# Altium PCB ST1-1-BASIS.PcbDoc (part 1 of 7) (continued)
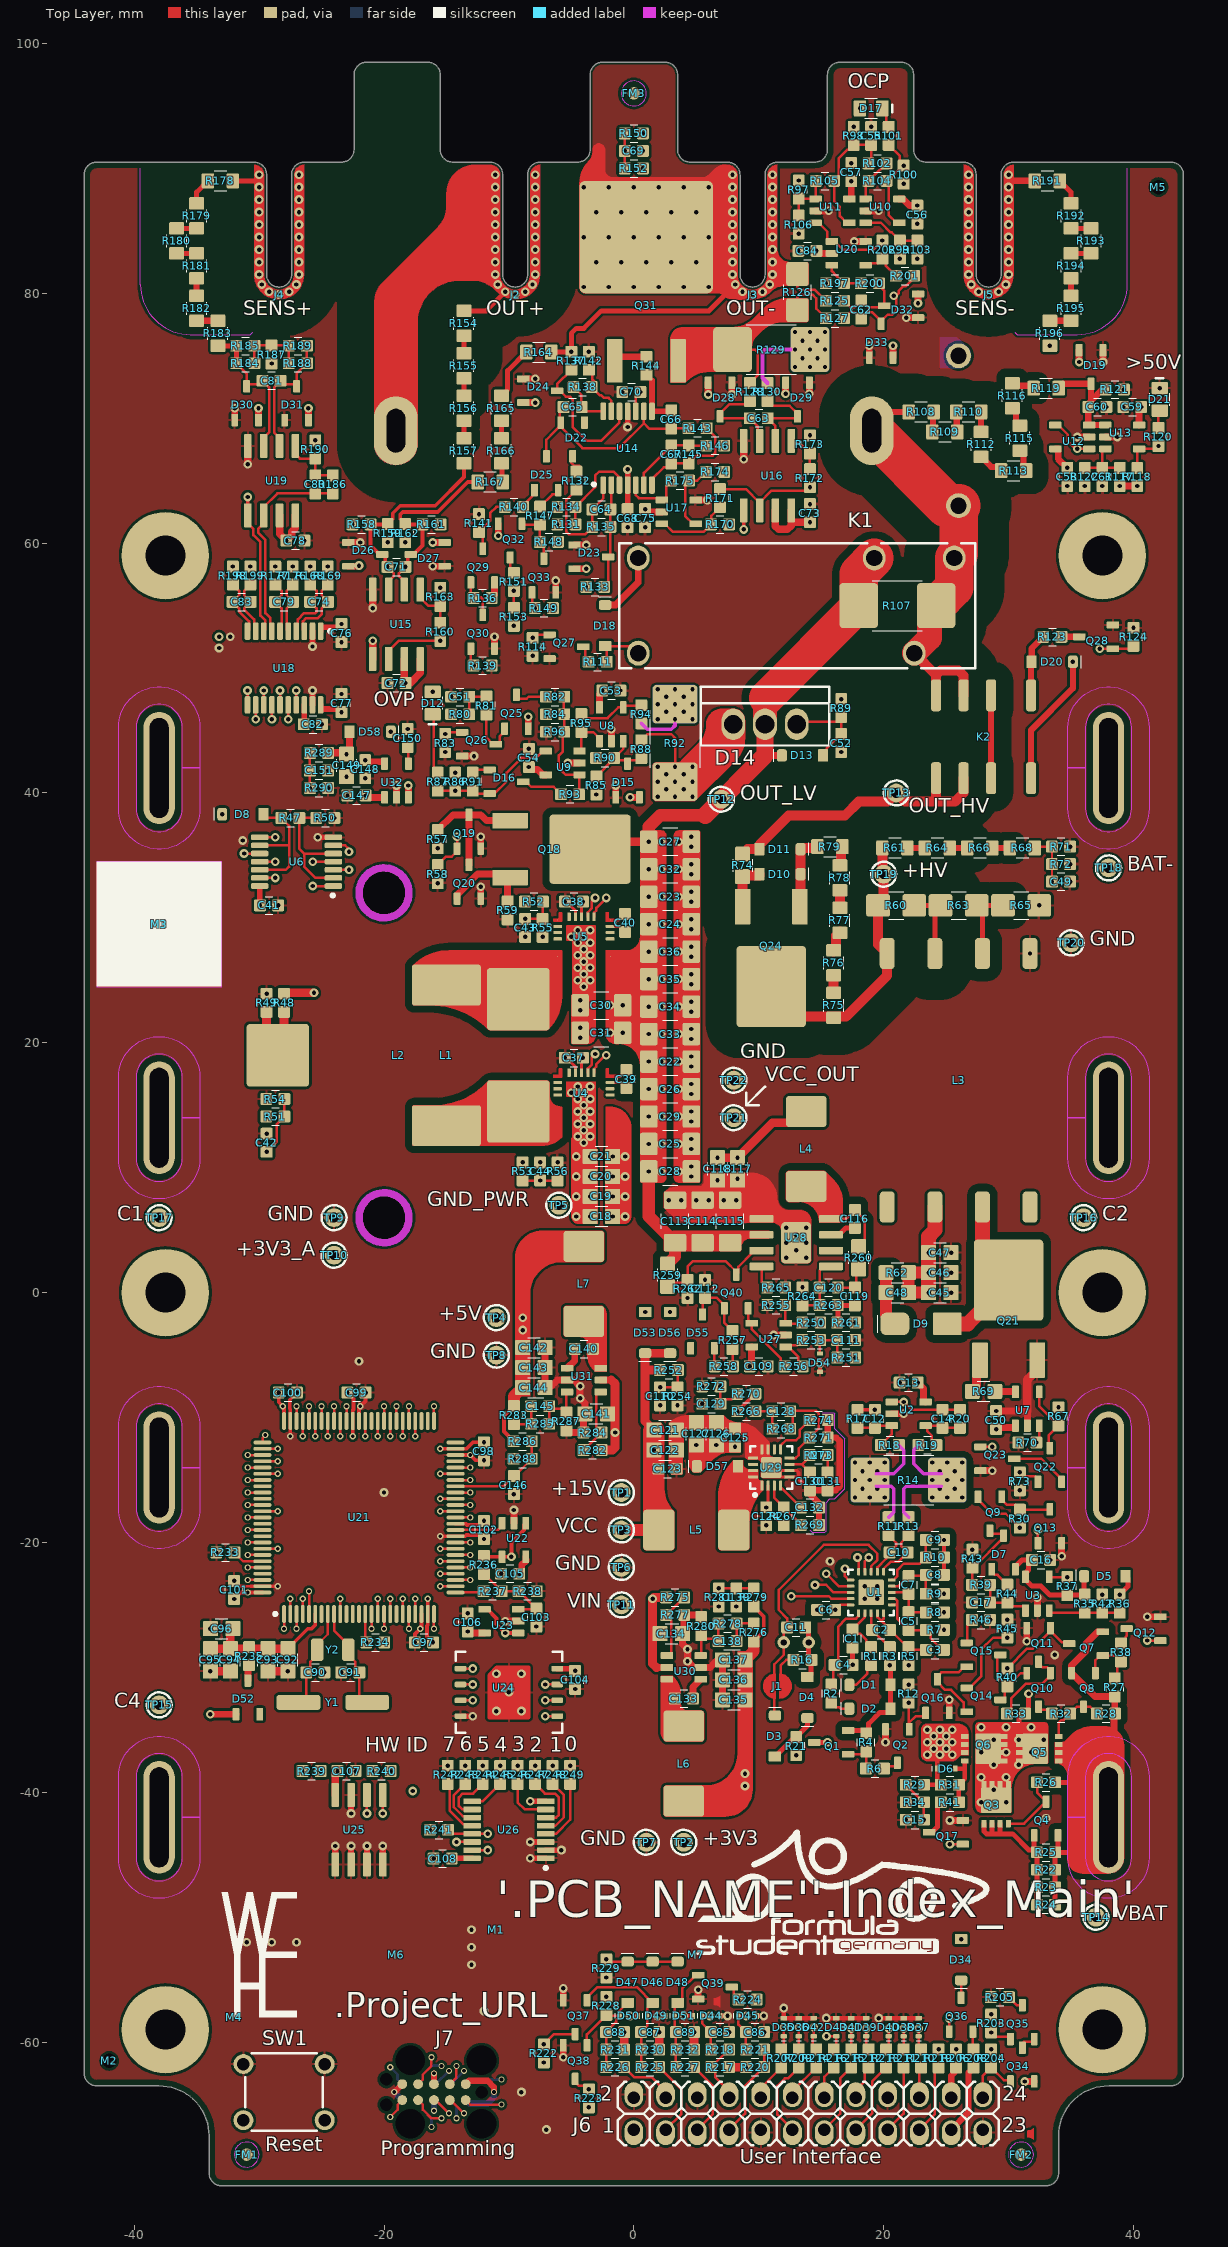
[diagram p0: Top Layer view]
## Design rules (kind name [scope] priority, off if disabled: settings) (continued)
Clearance Clearance_HV_DIV-8-4-3 [InNetClass('HV_DIV_8_4') vs InNetClass('HV_DIV_8_1') or InNetClass('HV_DIV_8_7')] p41: gap=1.3 ignorepadtopadclearanceinfootprint=TRUE except(0: Arc-Hole Track-Hole SMDPad-Hole THPad-Hole Via-Hole Fill-Hole Poly-Hole Region-Hole Text-Hole)
Clearance Clearance_HV_DIV-8-5-3 [InNetClass('HV_DIV_8_5') vs InNetClass('HV_DIV_8_2')  or not (InNetClass('Terminal') or InNetClass('HV') or InNetClass('HV_DIV_3_1') or InNetClass('HV_DIV_3_2') or InNetClass('HV_DIV_4_1') or InNetClass('HV_DIV_4_2') or InNetClass('HV_DIV_4_3') or InNetClass('HV_DIV_6_1') or InNetClass('HV_DIV_6_2') or InNetClass('HV_DIV_6_3') or InNetClass('HV_DIV_6_4') or InNetClass('HV_DIV_6_5') or InNetClass('HV_DIV_8_1') or InNetClass('HV_DIV_8_2') or InNetClass('HV_DIV_8_3') or InNetClass('HV_DIV_8_4') or InNetClass('HV_DIV_8_5') or InNetClass('HV_DIV_8_6') or InNetClass('HV_DIV_8_7'))] p42: gap=1.3 ignorepadtopadclearanceinfootprint=TRUE except(0: Arc-Hole Track-Hole SMDPad-Hole THPad-Hole Via-Hole Fill-Hole Poly-Hole Region-Hole Text-Hole)
Clearance Clearance_HV_DIV-8-1-2 [InNetClass('HV_DIV_8_1') vs InNetClass('HV_DIV_8_3')] p43: gap=1 ignorepadtopadclearanceinfootprint=TRUE except(0: Arc-Hole Track-Hole SMDPad-Hole THPad-Hole Via-Hole Fill-Hole Poly-Hole Region-Hole Text-Hole)
Clearance Clearance_HV_DIV-8-2-2 [InNetClass('HV_DIV_8_2') vs InNetClass('Terminal') or InNetClass('HV') or InNetClass('HV_DIV_8_4')] p44: gap=1 ignorepadtopadclearanceinfootprint=TRUE except(0: Arc-Hole Track-Hole SMDPad-Hole THPad-Hole Via-Hole Fill-Hole Poly-Hole Region-Hole Text-Hole)
Clearance Clearance_HV_DIV-8-3-2 [InNetClass('HV_DIV_8_3') vs InNetClass('HV_DIV_8_1') or InNetClass('HV_DIV_8_5')] p45: gap=1 ignorepadtopadclearanceinfootprint=TRUE except(0: Arc-Hole Track-Hole SMDPad-Hole THPad-Hole Via-Hole Fill-Hole Poly-Hole Region-Hole Text-Hole)
Clearance Clearance_HV_DIV-8-4-2 [InNetClass('HV_DIV_8_4') vs InNetClass('HV_DIV_8_2') or InNetClass('HV_DIV_8_6')] p46: gap=1 ignorepadtopadclearanceinfootprint=TRUE except(0: Arc-Hole Track-Hole SMDPad-Hole THPad-Hole Via-Hole Fill-Hole Poly-Hole Region-Hole Text-Hole)
Clearance Clearance_HV_DIV-8-5-2 [InNetClass('HV_DIV_8_5') vs InNetClass('HV_DIV_8_3') or InNetClass('HV_DIV_8_7')] p47: gap=1 ignorepadtopadclearanceinfootprint=TRUE except(0: Arc-Hole Track-Hole SMDPad-Hole THPad-Hole Via-Hole Fill-Hole Poly-Hole Region-Hole Text-Hole)
Clearance Clearance_HV_DIV-8-6-2 [InNetClass('HV_DIV_8_6') vs InNetClass('HV_DIV_8_4')  or not (InNetClass('Terminal') or InNetClass('HV') or InNetClass('HV_DIV_3_1') or InNetClass('HV_DIV_3_2') or InNetClass('HV_DIV_4_1') or InNetClass('HV_DIV_4_2') or InNetClass('HV_DIV_4_3') or InNetClass('HV_DIV_6_1') or InNetClass('HV_DIV_6_2') or InNetClass('HV_DIV_6_3') or InNetClass('HV_DIV_6_4') or InNetClass('HV_DIV_6_5') or InNetClass('HV_DIV_8_1') or InNetClass('HV_DIV_8_2') or InNetClass('HV_DIV_8_3') or InNetClass('HV_DIV_8_4') or InNetClass('HV_DIV_8_5') or InNetClass('HV_DIV_8_6') or InNetClass('HV_DIV_8_7'))] p48: gap=1 ignorepadtopadclearanceinfootprint=TRUE except(0: Arc-Hole Track-Hole SMDPad-Hole THPad-Hole Via-Hole Fill-Hole Poly-Hole Region-Hole Text-Hole)
Clearance Clearance_HV_DIV-8-1 [InNetClass('HV_DIV_8_1') vs InNetClass('Terminal') or InNetClass('HV') or InNetClass('HV_DIV_8_1')] p49: gap=0.7 ignorepadtopadclearanceinfootprint=TRUE except(0: Arc-Hole Track-Hole SMDPad-Hole THPad-Hole Via-Hole Fill-Hole Poly-Hole Region-Hole Text-Hole)
Clearance Clearance_HV_DIV-8-2 [InNetClass('HV_DIV_8_2') vs InNetClass('HV_DIV_8_1') or InNetClass('HV_DIV_8_3')] p50: gap=0.7 ignorepadtopadclearanceinfootprint=TRUE except(0: Arc-Hole Track-Hole SMDPad-Hole THPad-Hole Via-Hole Fill-Hole Poly-Hole Region-Hole Text-Hole)
Clearance Clearance_HV_DIV-8-3 [InNetClass('HV_DIV_8_3') vs InNetClass('HV_DIV_8_2') or InNetClass('HV_DIV_8_4')] p51: gap=0.7 ignorepadtopadclearanceinfootprint=TRUE except(0: Arc-Hole Track-Hole SMDPad-Hole THPad-Hole Via-Hole Fill-Hole Poly-Hole Region-Hole Text-Hole)
Clearance Clearance_HV_DIV-8-4 [InNetClass('HV_DIV_8_4') vs InNetClass('HV_DIV_8_3') or InNetClass('HV_DIV_8_5')] p52: gap=0.7 ignorepadtopadclearanceinfootprint=TRUE except(0: Arc-Hole Track-Hole SMDPad-Hole THPad-Hole Via-Hole Fill-Hole Poly-Hole Region-Hole Text-Hole)
Clearance Clearance_HV_DIV-8-5 [InNetClass('HV_DIV_8_5') vs InNetClass('HV_DIV_8_4') or InNetClass('HV_DIV_8_6')] p53: gap=0.7 ignorepadtopadclearanceinfootprint=TRUE except(0: Arc-Hole Track-Hole SMDPad-Hole THPad-Hole Via-Hole Fill-Hole Poly-Hole Region-Hole Text-Hole)
Clearance Clearance_HV_DIV-8-6 [InNetClass('HV_DIV_8_6') vs InNetClass('HV_DIV_8_5') or InNetClass('HV_DIV_8_7')] p54: gap=0.7 ignorepadtopadclearanceinfootprint=TRUE except(0: Arc-Hole Track-Hole SMDPad-Hole THPad-Hole Via-Hole Fill-Hole Poly-Hole Region-Hole Text-Hole)
Clearance Clearance_HV_DIV-8-7 [InNetClass('HV_DIV_8_7') vs InNetClass('HV_DIV_8_6')  or not (InNetClass('Terminal') or InNetClass('HV') or InNetClass('HV_DIV_3_1') or InNetClass('HV_DIV_3_2') or InNetClass('HV_DIV_4_1') or InNetClass('HV_DIV_4_2') or InNetClass('HV_DIV_4_3') or InNetClass('HV_DIV_6_1') or InNetClass('HV_DIV_6_2') or InNetClass('HV_DIV_6_3') or InNetClass('HV_DIV_6_4') or InNetClass('HV_DIV_6_5') or InNetClass('HV_DIV_8_1') or InNetClass('HV_DIV_8_2') or InNetClass('HV_DIV_8_3') or InNetClass('HV_DIV_8_4') or InNetClass('HV_DIV_8_5') or InNetClass('HV_DIV_8_6') or InNetClass('HV_DIV_8_7'))] p55: gap=0.7 ignorepadtopadclearanceinfootprint=TRUE except(0: Arc-Hole Track-Hole SMDPad-Hole THPad-Hole Via-Hole Fill-Hole Poly-Hole Region-Hole Text-Hole)
Clearance Clearance_Terminal [InNetClass('Terminal')] p56: gap=3 ignorepadtopadclearanceinfootprint=TRUE except(0: Arc-Hole Track-Hole SMDPad-Hole THPad-Hole Via-Hole Fill-Hole Poly-Hole Region-Hole Text-Hole)
Clearance Clearance_HV_Coating [InNetClass('HV') or InNetClass('HV_DIV_3_1') or InNetClass('HV_DIV_3_2') or InNetClass('HV_DIV_4_1') or InNetClass('HV_DIV_4_2') or InNetClass('HV_DIV_4_3') and WithinRoom('Coating') vs WithinRoom('Coating')] p57: gap=2 ignorepadtopadclearanceinfootprint=TRUE except(0: Arc-Hole Track-Hole SMDPad-Hole THPad-Hole Via-Hole Fill-Hole Poly-Hole Region-Hole Text-Hole; 0.9: SMDPad-SMDPad; 1.9: Arc-SMDPad Track-SMDPad)
Clearance Clearance_HV [InNetClass('HV')         or InNetClass('HV_DIV_3_1') or InNetClass('HV_DIV_3_2') or InNetClass('HV_DIV_4_1') or InNetClass('HV_DIV_4_2') or InNetClass('HV_DIV_4_3') or InNetClass('HV_DIV_6_1') or InNetClass('HV_DIV_6_2') or InNetClass('HV_DIV_6_3') or InNetClass('HV_DIV_6_4') or InNetClass('HV_DIV_6_5') or InNetClass('HV_DIV_8_1') or InNetClass('HV_DIV_8_2') or InNetClass('HV_DIV_8_3') or InNetClass('HV_DIV_8_4') or InNetClass('HV_DIV_8_5') or InNetClass('HV_DIV_8_6') or InNetClass('HV_DIV_8_7')] p58: gap=2.5 ignorepadtopadclearanceinfootprint=TRUE except(0: Arc-Hole Track-Hole SMDPad-Hole THPad-Hole Via-Hole Fill-Hole Poly-Hole Region-Hole Text-Hole)
Clearance Clearance_LV [InNetClass('LV')] p59: gap=0.6 ignorepadtopadclearanceinfootprint=FALSE except(0: Arc-Hole Track-Hole SMDPad-Hole THPad-Hole Via-Hole Fill-Hole Poly-Hole Region-Hole Text-Hole)
Clearance Clearance_LV_SW [InNetClass('LV_SW') vs not (InNetClass('LV_SW') or ((Net = 'No Net') And ((Component = 'U4') or (Component = 'U5'))))] p60: gap=0.6 ignorepadtopadclearanceinfootprint=FALSE except(0: Arc-Hole Track-Hole SMDPad-Hole THPad-Hole Via-Hole Fill-Hole Poly-Hole Region-Hole Text-Hole)
Clearance Clearance_BAT_Exception [InNetClass('BAT') vs InNet('NetQ5_4') or InNet('I2C.SCL')] p61: gap=0.5 ignorepadtopadclearanceinfootprint=TRUE except(0: Arc-Hole Track-Hole SMDPad-Hole THPad-Hole Via-Hole Fill-Hole Poly-Hole Region-Hole Text-Hole; 0.2: Track-Region SMDPad-Region; 0.25: Track-SMDPad SMDPad-SMDPad; 0.3: Track-Track)
Clearance Clearance_BAT [InNetClass('BAT')] p62: gap=0.5 ignorepadtopadclearanceinfootprint=TRUE except(0: Arc-Hole Track-Hole SMDPad-Hole THPad-Hole Via-Hole Fill-Hole Poly-Hole Region-Hole Text-Hole)
Clearance [All] p63: gap=0.2 ignorepadtopadclearanceinfootprint=FALSE except(0: Arc-Hole Track-Hole SMDPad-Hole THPad-Hole Via-Hole Fill-Hole Poly-Hole Region-Hole Text-Hole; 0.15: Arc-Arc Arc-Track Arc-SMDPad Arc-THPad Arc-Via Arc-Text Track-Track Track-SMDPad Track-THPad Track-Via Track-Text SMDPad-SMDPad SMDPad-THPad SMDPad-Via SMDPad-Text THPad-THPad THPad-Via THPad-Text Via-Via Via-Text Text-Text)
ComponentClearance ComponentClearance_ELP_Transformer [Footprint like '*ELP22*' vs Footprint like '*ELP22*'] p1: gap=0 collisioncheckmode=3 verticalgap=0 showdistances=FALSE
ComponentClearance ComponentClearance_Enclosure [InComponent('M1')] p2: gap=0 collisioncheckmode=3 verticalgap=0 showdistances=FALSE
ComponentClearance ComponentClearance_Battery_Holder [IsFree] p3: gap=0 collisioncheckmode=3 verticalgap=0 showdistances=FALSE
ComponentClearance [All] p4: gap=0.25 collisioncheckmode=3 verticalgap=0.25 showdistances=FALSE
DiffPairsRouting [All] p1: maxlimit=0.5 minlimit=0.2 mostfreqgap=0.2 toplayer_minwidth=0.2 toplayer_maxwidth=0.5 toplayer_prefwidth=0.2 midlayer1_minwidth=0.2 midlayer1_maxwidth=0.5 midlayer1_prefwidth=0.2 midlayer2_minwidth=0.2 midlayer2_maxwidth=0.5 midlayer2_prefwidth=0.2 midlayer3_minwidth=0.2 midlayer3_maxwidth=0.5 midlayer3_prefwidth=0.2 midlayer4_minwidth=0.2 midlayer4_maxwidth=0.5 midlayer4_prefwidth=0.2 bottomlayer_minwidth=0.2 bottomlayer_maxwidth=0.5 bottomlayer_prefwidth=0.2 maxuncoupledlength=12.7
Height [All] p1: minheight=0 maxheight=100 prefheight=12.7
HoleSize [All] p1: absolutevalues=TRUE maxlimit=27 minlimit=0.3 maxpercent=80.000 minpercent=20.000
HoleToHoleClearance [All] p1: gap=0.3 allowstackedmicrovias=TRUE
MatchedLengths "MatchedLengths QSPI" [InNetClass('QSPI')] p1: tolerance=0.2 checknetsindiffpair=FALSE checkdiffpairvsdiffpair=TRUE checkxsignals=TRUE checkothers=TRUE
MinimumAnnularRing MinimumAnnularRing_Via [IsVia] p1: minimumring=0.1
MinimumAnnularRing MinimumAnnularRing_Pad [All] p2: minimumring=0.2
MinimumSolderMaskSliver [All] p1: minsoldermaskwidth=0.1
PolygonConnect [All] p1: thpad.connectstyle=Relief thpad.reliefconductorwidth=0.2 thpad.reliefentries=4 thpad.polygonreliefangle="90 Angle" thpad.airgapwidth=0.2 smdpad.connectstyle=Relief smdpad.reliefconductorwidth=0.2 smdpad.reliefentries=4 smdpad.polygonreliefangle="90 Angle" smdpad.airgapwidth=0.2 via.connectstyle=Direct via.reliefconductorwidth=0.254 via.reliefentries=4 via.polygonreliefangle="90 Angle" via.airgapwidth=0.254
RoomDefinition OCP [InComponentClass('OCP')] p1: confinementstyle=ConfineIn formatcopy=TRUE lockcomponents=FALSE outline 16,90 12,90 12,84 14,84 19,84 19,78 24,78 24,91 22,91 22,96 16,96
RoomDefinition "Battery & BMS" [InComponentClass('Battery & BMS')] p2: confinementstyle=ConfineIn formatcopy=TRUE lockcomponents=FALSE outline 23,-39 23,-30 26,-30 26,-17 27,-17 27,-8 24,-8 24,-6 20,-6 20,-8 17,-8 17,-10 10.5,-16.5 11.5,-17.5 17,-12 17,-17 19,-17 19,-20 10,-20 10,-39
RoomDefinition "Converter High Voltage" [InComponentClass('Converter High Voltage')] p3: confinementstyle=ConfineIn formatcopy=TRUE lockcomponents=FALSE outline 17,37 17,16 18,15 18,7 19,7 19,-5 26,-5 26,-9 27,-9 27,-17 37,-17 37,37
RoomDefinition "Power VCC" [InComponentClass('Power VCC')] p4: confinementstyle=ConfineIn formatcopy=TRUE lockcomponents=FALSE outline 5.5,19 5.5,8.5 0,8.5 0,-10 5,-10 5,-7 19,-7 19,19
RoomDefinition "Power 3V3" [InComponentClass('Power 3V3')] p5: confinementstyle=ConfineIn formatcopy=TRUE lockcomponents=FALSE outline 11,-42 11,-29 11,-25 11,-23 0,-23 0,-33 0,-42
RoomDefinition "On Off Controller" [InComponentClass('On Off Controller')] p6: confinementstyle=ConfineIn formatcopy=TRUE lockcomponents=FALSE outline 35,-38 40,-38 40,-29 43,-29 43,-25 40,-25 40,-21 35,-21 35,-16 31,-16 31,-15 26,-15 26,-30 22,-30 22,-37 21,-37 21,-45 31,-45 31,-50 35,-50
RoomDefinition "Precision Current Controller" [InComponentClass('Precision Current Controller')] p7: confinementstyle=ConfineIn formatcopy=TRUE lockcomponents=FALSE outline -5,76 -6,76 -6,74 -10,74 -10,70 -7,70 -7,68 -9,68 -9,64 -14,64 -14,61 -14,49 -9,49 -9,52 -8,52 -8,54 -5,54 -5,55 -1,55 -1,60 1,60 1,63 3,63 3,65 6,65 6,67 8,67 8,70 4,70 4,72 7,72 7,90 2,90 2,94 -2,94 -2,90 -5,90
RoomDefinition Measurement [InComponentClass('Measurement')] p8: confinementstyle=ConfineIn formatcopy=TRUE lockcomponents=FALSE outline -33,69 -33,74.999 -35,74.999 -35,77 -38,77 -38,90 -31,90 -31,81 12,81 12,90 38,90 38,74.999 32,74.999 32,84 23.999,84 23.999,74 15,74 15,60 -14,60 -14,51 -16,51 -16,48 -22,48 -22,44 -28,44 -28,45 -33,45
RoomDefinition "Output terminals" [InComponentClass('Output terminals')] p9: confinementstyle=ConfineIn formatcopy=TRUE lockcomponents=FALSE outline -37,79 -22,79 -22,59 -2,59 -2,56 -4,56 -4,54 -9,54 -9,49 22,49 22,38 34,38 34,49 41,49 41,55 28,55 28,64 43,64 43,76 36,76 36,114 21,114 21,79 19,79 19,81 18,81 18,114 2,114 2,79 -2,79 -2,114 -17,114 -17,79 -21,79 -21,114 -37,114
RoomDefinition "Power Analog" [InComponentClass('Power Analog')] p10: confinementstyle=ConfineIn formatcopy=TRUE lockcomponents=FALSE outline -24,44 -27,44 -27,39 -17,39 -17,46 -24,46
RoomDefinition OVP [InComponentClass('OVP')] p11: confinementstyle=ConfineIn formatcopy=TRUE lockcomponents=FALSE outline 6,39 6,41 18,41 18,49 -17,49 -17,39
RoomDefinition Converter [InComponentClass('Converter')] p12: confinementstyle=ConfineIn formatcopy=TRUE lockcomponents=FALSE outline -28,40 -34,40 -34,8 -6,8 -6,5 6,5 6,39 -28,39
RoomDefinition "Microcontroler Peripherals" [InComponentClass('Microcontroler Peripherals')] p13: confinementstyle=ConfineIn formatcopy=TRUE lockcomponents=FALSE outline -34,-69 -9,-69 -9,-47 -4,-47 -4,-36 -3,-36 -3,-28 -7,-28 -7,-16 -12,-16 -12,-20 -13,-20 -13,-25 -15,-25 -15,-37 -28,-37 -28,-40 -25,-40 -25,-47 -15,-47 -15,-59 -34,-59
RoomDefinition "User Interface" [InComponentClass('User Interface')] p14: confinementstyle=ConfineIn formatcopy=TRUE lockcomponents=FALSE outline -8,-69 33,-69 33,-55 28,-55 28,-51 25,-51 25,-56 11,-56 11,-52 -8,-52
RoomDefinition Microcontroller [InComponentClass('Microcontroller')] p15: confinementstyle=ConfineIn formatcopy=TRUE lockcomponents=FALSE outline -19,-35 -19,-29 -15,-29 -15,-26 -11,-26 -11,-7 -35,-7 -35,-35
RoomDefinition "Power 5V" [InComponentClass('Power 5V')] p16: confinementstyle=ConfineIn formatcopy=TRUE lockcomponents=FALSE outline 0,6 -11,6 -11,-17 -8,-17 -8,-14 0,-14
RoomDefinition "Power 15V" [InComponentClass('Power 15V')] p17: confinementstyle=ConfineIn formatcopy=TRUE lockcomponents=FALSE outline 10,-23 10,-20 17,-20 17,-6.5 4.5,-6.5 4.5,-9 0,-9 0,-23
RoomDefinition "Current Limiter" [InComponentClass('Current Limiter')] p18: confinementstyle=ConfineIn formatcopy=TRUE lockcomponents=FALSE outline 7,37 7,21 17,21 17,28 18,28 18,37
RoomDefinition Coating [False vs False] p19: confinementstyle=ConfineIn formatcopy=TRUE lockcomponents=FALSE outline 52,56 58,56 58,42 52,42
RoutingVias [All] p1: holewidth=0.35 width=0.7 viastyle="Through Hole" minholewidth=0.3 minwidth=0.5 maxholewidth=5 maxwidth=6
SilkToSilkClearance [All] p1: silktosilkclearance=0.1
SilkToSolderMaskClearance [IsPad] p1: minsilkscreentomaskgap=0.1 clearancetoexposedcopper=TRUE
SolderMaskExpansion "SolderMaskExpansion Via" [IsVia] p1: expansion=0.1 istentingtop=TRUE
SolderMaskExpansion [All] p2: expansion=0.05 istentingtop=FALSE
SupplyNets "Schematic Supply Nets_10" [InNet('GND_PWR')] p1: voltage=0.000
SupplyNets "Schematic Supply Nets_8" [InNet('VREF/2')] p2: voltage=0.000
SupplyNets "Schematic Supply Nets_9" [InNet('+5V')] p3: voltage=0.000
SupplyNets "Schematic Supply Nets_5" [InNet('VBAT_STBY')] p4: voltage=0.000
SupplyNets "Schematic Supply Nets_1" [InNet('+3V3_STBY')] p5: voltage=0.000
SupplyNets "Schematic Supply Nets_7" [InNet('+3V3_A')] p6: voltage=0.000
SupplyNets "Schematic Supply Nets_6" [InNet('+15V')] p7: voltage=0.000
SupplyNets "Schematic Supply Nets_4" [InNet('+3V3')] p8: voltage=0.000
SupplyNets "Schematic Supply Nets_3" [InNet('BAT-')] p9: voltage=0.000
SupplyNets "Schematic Supply Nets_2" [InNet('GND')] p10: voltage=0.000
SupplyNets "Schematic Supply Nets" [InNet('VREF')] p11: voltage=0.000
UnRoutedNet [All] p1: checkbadconnections=TRUE
Width [All] p1: maxlimit=5 minlimit=0.15 preferedwidth=0.2 minimp=50.000000 maximp=50.000000 favimp=50.000000
21 further rules are at their usual default settings.

## Classes and differential pairs
net class Terminal: SENS_N SENS_P TERM_P
net class HV_DIV_8_1: NetR108_2
net class HV_DIV_6_3: NetR180_2 NetR193_2
net class HV_DIV_8_7: NetR116_2
net class HV_DIV_8_5: NetR113_2
net class HV_DIV_8_3: NetR110_2
net class HV_DIV_6_5: NetR182_2 NetR195_2
component class "Power 15V": C121 C122 C123 C124 C125 C126 C127 C128 C129 C130 C131 C132 D57 L5 R266 R267 R268 R269 R270 R271 R272 R273 R274 U29
component class "Power 3V3": C133 C134 C135 C136 C137 C138 C139 L6 R275 R276 R277 R278 R279 R280 R281 U30
net class HV_DIV_8_4: NetR112_2
component class "Power VCC": C109 C110 C111 C112 C113 C114 C115 C116 C117 C118 C119 C120 D53 D54 D55 D56 L4 Q40 R250 R251 R252 R253 R254 R255 R256 R257 R258 R259 R260 R261 R262 R263 R264 R265 TP21 TP22 U27 U28
component class Microcontroller: C90 C91 C92 C93 C94 C95 C96 C97 C98 C99 C100 C101 C102 D52 R233 R234 R235 U21 Y1 Y2
net class HV_DIV_8_6: NetR115_2
net class HV_DIV_8_2: NetR109_2
net class HV_DIV_6_4: NetR181_2 NetR194_2
net class HV_DIV_6_2: NetR179_2 NetR192_2
net class HV_DIV_6_1: NetR178_2 NetR191_2
net class QSPI: QSPI.CLK QSPI.CS/ QSPI.IO0 QSPI.IO1 QSPI.IO2 QSPI.IO3
net class LV_SW: LV_SW_PRIM LV_SW_SEC NetC39_1 NetC39_2 NetC40_1 NetC40_2 VCC_BST VCC_SW
net class LV: NetC48_2 NetD9_2 OUT_LV
net class HV_DIV_3_2: NetL3_6
net class HV_DIV_3_1: NetL3_7
component class OCP: C55 C56 C57 D17 R97 R98 R99 R100 R101 R102 R103 R104 R105 R106 U10 U11
component class "Microcontroler Peripherals": C103 C104 C105 C106 C107 C108 J7 R236 R237 R238 R239 R240 R241 R242 R243 R244 R245 R246 R247 R248 R249 SW1 U22 U23 U24 U25 U26
component class "Power 5V": C140 C141 C142 C143 C144 C145 C146 L7 R282 R283 R284 R285 R286 R287 R288 U31
component class "Current Limiter": D10 D11 Q24 R74 R75 R76 R77 R78 R79
component class "Power Analog": C147 C148 C149 C150 C151 D58 R289 R290 U32
component class OVP: C C51 C52 C53 C54 D12 D13 D14 D15 D16 Q25 Q26 R80 R81 R82 R83 R84 R85 R86 R87 R88 R89 R90 R91 R92 R93 R94 R95 R96 U8 U9
component class Measurement: C c C71 C72 C73 C74 C75 C76 C77 C78 C79 C80 C81 C82 C83 C84 D26 D27 D28 D29 D30 D31 D32 D33 R154 R155 R156 R157 R158 R159 R160 R161 R162 R163 R164 R165 R166 R167 R168 R169 R170 R171 R172 R173 R174 R175 R176 R177 R178 R179 R180 R181 R182 R183 R184 R185 R186 R187 R188 R189 R190 R191 R192 R193 R194 R195 R196 R197 R198 R199 R200 R201 R202 U15 U16 U17 U18 U19 U20
component class "Precision Current Controller": C64 C65 C66 C67 C68 C69 C70 D22 D23 D24 D25 Q29 Q30 Q31 Q32 Q33 R131 R132 R133 R134 R135 R136 R137 R138 R139 R140 R141 R142 R143 R144 R145 R146 R147 R148 R149 R150 R151 R152 R153 U14
component class "Output terminals": C58 C59 C60 C61 C62 C63 D18 D19 D20 D21 F1 F2 GDT1 J2 J3 J4 J5 K1 K2 Q27 Q28 R107 R108 R109 R110 R111 R112 R113 R114 R115 R116 R117 R118 R119 R120 R121 R122 R123 R124 R125 R126 R127 R128 R129 R130 U12 U13
component class "User Interface": C85 C86 C87 C88 C89 D34 D35 D36 D37 D38 D39 D40 D41 D42 D43 D44 D45 D46 D47 D48 D49 D50 D51 J6 Q34 Q35 Q36 Q37 Q38 Q39 R203 R204 R205 R206 R207 R208 R209 R210 R211 R212 R213 R214 R215 R216 R217 R218 R219 R220 R221 R222 R223 R224 R225 R226 R227 R228 R229 R230 R231 R232
net class BAT: BAT- C1 C2 C4 VBAT
net class HV_DIV_4_3: NetR66_2 NetR156_2
net class HV_DIV_4_2: NetD10_1 NetK2_4 NetR64_2 NetR76_1 NetR77_1 NetR155_1
net class HV_DIV_4_1: NetR61_2 NetR75_1 NetR78_1 NetR154_2
net class HV: +HV ISO_I_SRC OUT OUT_HV
component class PS1-1-Top: FM1 FM2 FM3 FM4 FM5 FM6 M1 M2 M3 M4 M5 M6 M7 TP1 TP2 TP3 TP4 TP5 TP6 TP7 TP8 TP9 TP10 TP11 TP12 TP13
component class "Converter High Voltage": C45 C46 C47 C48 C49 C50 D9 L3 Q21 Q22 Q23 R60 R61 R62 R63 R64 R65 R66 R67 R68 R69 R70 R71 R72 R73 TP19 TP20 U7
component class "On Off Controller": C15 C16 C17 D5 D6 D7 Q3 Q4 Q5 Q6 Q7 Q8 Q9 Q10 Q11 Q12 Q13 Q14 Q15 Q16 Q17 R22 R23 R24 R25 R26 R27 R28 R29 R30 R31 R32 R33 R34 R35 R36 R37 R38 R39 R40 R41 R42 R43 R44 R45 R46 U3
component class Converter: C C18 C19 C20 C21 C22 C23 C24 C25 C26 C27 C28 C29 C30 C31 C32 C33 C34 C35 C36 C37 C38 C39 C40 C41 C42 C43 C44 D8 L1 L2 Q18 Q19 Q20 R47 R48 R49 R50 R51 R52 R53 R54 R55 R56 R57 R58 R59 U4 U5 U6
component class "Battery & BMS": BAT1 BAT2 BAT3 BAT4 C1 C2 C3 C4 C5 C6 C7 C8 C9 C10 C11 C12 C13 C14 D1 D2 D3 D4 J1 NT1 Q1 Q2 R1 R2 R3 R4 R5 R6 R7 R8 R9 R10 R11 R12 R13 R14 R15 R16 R17 R18 R19 R20 R21 TP14 TP15 TP16 TP17 TP18 U1 U2
differential pair I_ISO: +I_ISO_P -I_ISO_N

## Components (designator, comment, footprint, x,y, rotation, side; value= is the part's Value field where it differs from the comment)
BAT1 "BAT_LFP-26700-4.5AH" BAT-26700-PS 0,-42 r180 bottom locked
BAT2 "BAT_LFP-26700-4.5AH" BAT-26700-PS 0,-14 r0 bottom locked
BAT3 "BAT_LFP-26700-4.5AH" BAT-26700-PS 0,14 r180 bottom locked
BAT4 "BAT_LFP-26700-4.5AH" BAT-26700-PS 0,42 r0 bottom locked
C1 "1U/0603/50V/X5R" CAP0603_X7R 17.5,-27.7 r270 top value=1.0uF
C2 "100N/0603/50V/X7R" CAP0603_X7R 19.8,-27 r0 top value=100nF
C3 "100N/0603/50V/X7R" CAP0603_X7R 24.1,-28.6 r0 top value=100nF
C4 "1U/0603/50V/X5R" CAP0603_X7R 16.8,-29.8 r0 top value=1.0uF
C5 "100N/0603/50V/X7R" CAP0603_X7R 22,-26.3 r90 top value=100nF
C6 "100N/0603/50V/X7R" CAP0603_X7R 15.4,-25.4 r180 top value=100nF
C7 "100N/0603/50V/X7R" CAP0603_X7R 22,-23.4 r90 top value=100nF
C8 "100N/0603/50V/X7R" CAP0603_X7R 24.1,-22.6 r0 top value=100nF
C9 "100N/0603/50V/X7R" CAP0603_X7R 24.1,-19.8 r0 top value=100nF
C10 "100N/0603/50V/X7R" CAP0603_X7R 21.2,-20.8 r0 top value=100nF
C11 "1N/0603/50V/X7R" CAP0603_X7R 13,-26.8 r0 top value=1.0nF
C12 "1N/0603/50V/X7R" CAP0603_X7R 19.3,-10.1 r270 top value=1.0nF
C13 "100N/0603/50V/X7R" CAP0603_X7R 22,-7.2 r180 top value=100nF
C14 "1N/0603/50V/X7R" CAP0603_X7R 24.7,-10.1 r90 top value=1.0nF
C15 "10N/0603/50V/X7R" CAP0603_X7R 22.5,-42.2 r180 top value=10nF
C16 "100N/0603/50V/X7R" CAP0603_X7R 32.6,-21.4 r0 top value=100nF
C17 "1U/0603/50V/X5R" CAP0603_X7R 27.8,-24.8 r180 top value=1.0uF
C18 "22U/0805/25V/X5R" CAP0805_X7R -2.6,6.1 r180 top value=22uF
C19 "22U/0805/25V/X5R" CAP0805_X7R -2.6,7.7 r180 top value=22uF
C20 "22U/0805/25V/X5R" CAP0805_X7R -2.6,9.3 r180 top value=22uF
C21 "22U/0805/25V/X5R" CAP0805_X7R -2.6,10.9 r180 top value=22uF
C22 "2U2/1206/100V/X7R" CAP1206-X7R 2.9,18.5 r0 top value=2.2uF
C23 "2U2/1206/100V/X7R" CAP1206-X7R 2.9,31.7 r0 top value=2.2uF
C24 "2U2/1206/100V/X7R" CAP1206-X7R 2.9,29.5 r0 top value=2.2uF
C25 "2U2/1206/100V/X7R" CAP1206-X7R 2.9,11.9 r0 top value=2.2uF
C26 "2U2/1206/100V/X7R" CAP1206-X7R 2.9,16.3 r0 top value=2.2uF
C27 "2U2/1206/100V/X7R" CAP1206-X7R 2.9,36.1 r0 top value=2.2uF
C28 "2U2/1206/100V/X7R" CAP1206-X7R 2.9,9.7 r0 top value=2.2uF
C29 "2U2/1206/100V/X7R" CAP1206-X7R 2.9,14.1 r0 top value=2.2uF
C30 "2U2/1206/100V/X7R" CAP1206-X7R -2.6,23 r180 top value=2.2uF
C31 "2U2/1206/100V/X7R" CAP1206-X7R -2.6,20.8 r180 top value=2.2uF
C32 "2U2/1206/100V/X7R" CAP1206-X7R 2.9,33.9 r0 top value=2.2uF
C33 "2U2/1206/100V/X7R" CAP1206-X7R 2.9,20.7 r0 top value=2.2uF
C34 "2U2/1206/100V/X7R" CAP1206-X7R 2.9,22.9 r0 top value=2.2uF
C35 "2U2/1206/100V/X7R" CAP1206-X7R 2.9,25.1 r0 top value=2.2uF
C36 "2U2/1206/100V/X7R" CAP1206-X7R 2.9,27.3 r0 top value=2.2uF
C37 "1U/0603/50V/X5R" CAP0603_X7R -4.8,18.8 r180 top value=1.0uF
C38 "1U/0603/50V/X5R" CAP0603_X7R -4.8,31.3 r180 top value=1.0uF
C39 "1U/0603/50V/X5R" CAP0603_X7R -0.6,17.1 r90 top value=1.0uF
C40 "1U/0603/50V/X5R" CAP0603_X7R -0.7,29.6 r90 top value=1.0uF
C41 "100N/0603/50V/X7R" CAP0603_X7R -29.2,31 r0 top value=100nF
C42 "10N/0603/50V/X7R" CAP0603_X7R -29.4,12 r90 top value=10nF
C43 "10N/0603/50V/X7R" CAP0603_X7R -8.7,29.2 r270 top value=10nF
C44 "10N/0603/50V/X7R" CAP0603_X7R -7.5,9.7 r90 top value=10nF
C45 "22U/0805/25V/X5R" CAP0805_X7R 24.5,0 r0 top value=22uF
C46 "22U/0805/25V/X5R" CAP0805_X7R 24.5,1.6 r0 top value=22uF
C47 "22U/0805/25V/X5R" CAP0805_X7R 24.5,3.2 r0 top value=22uF
C48 "20P/0805/50V/C0G" CAP0805_C0G 21.1,0 r180 top value=20pF
C49 "10N/0603/50V/X7R" CAP0603_X7R 34.2,32.9 r0 top value=10nF
C50 "100N/0603/50V/X7R" CAP0603_X7R 29,-10.2 r90 top value=100nF
C51 "100N/0603/50V/X7R" CAP0603_X7R -13.9,47.7 r180 top value=100nF
C52 "100P/0603/50V/C0G" CAP0603_C0G 16.6,44 r270 top value=100pF
C53 "100N/0603/50V/X7R" CAP0603_X7R -1.8,48.2 r0 top value=100nF
C54 "100N/0603/50V/X7R" CAP0603_X7R -8.4,42.8 r90 top value=100nF
C55 "1U/0603/50V/X5R" CAP0603_X7R 19,92.6 r90 top value=1.0uF
C56 "100N/0603/50V/X7R" CAP0603_X7R 22.7,86.3 r270 top value=100nF
C57 "100N/0603/50V/X7R" CAP0603_X7R 17.4,89.7 r90 top value=100nF
C58 "100N/0603/50V/X7R" CAP0603_X7R 34.7,65.3 r270 top value=100nF
C59 "100N/0603/50V/X7R" CAP0603_X7R 39.9,70.9 r180 top value=100nF
C60 "10N/0603/50V/X7R" CAP0603_X7R 37.1,70.9 r0 top value=10nF
C61 "10N/0603/50V/X7R" CAP0603_X7R 37.5,65.3 r270 top value=10nF
C62 "1N/0603/50V/X7R" CAP0603_X7R 18.2,78.7 r270 top value=1.0nF
C63 "1N/0603/50V/X7R" CAP0603_X7R 10,70 r0 top value=1.0nF
C64 "10P/0603/50V/C0G" CAP0603_C0G -2.6,62.7 r0 top value=10pF
C65 "4P7/0603/50V/C0G" CAP0603_C0G -4.9,70.9 r0 top value=4.7pF
C66 "1N/0603/50V/X7R" CAP0603_X7R 3,69.9 r90 top value=1.0nF
C67 "4P7/0603/50V/C0G" CAP0603_C0G 3,67.1 r90 top value=4.7pF
C68 "100N/0603/50V/X7R" CAP0603_X7R -0.5,62 r270 top value=100nF
C69 "10N/0603/50V/X7R" CAP0603_X7R 0,91.4 r0 top value=10nF
C70 "100N/0603/50V/X7R" CAP0603_X7R -0.2,72.1 r180 top value=100nF
C71 "100P/0603/50V/C0G" CAP0603_C0G -19,58.1 r0 top value=100pF
C72 "100N/0603/50V/X7R" CAP0603_X7R -19,48.8 r180 top value=100nF
C73 "100N/0603/50V/X7R" CAP0603_X7R 14.1,62.4 r90 top value=100nF
C74 "10N/0603/50V/X7R" CAP0603_X7R -25.2,55.3 r0 top value=10nF
C75 "100N/0603/50V/X7R" CAP0603_X7R 0.9,62 r270 top value=100nF
C76 "100N/0603/50V/X7R" CAP0603_X7R -23.4,52.8 r270 top value=100nF
C77 "100N/0603/50V/X7R" CAP0603_X7R -23.4,47.2 r90 top value=100nF
C78 "100N/0603/50V/X7R" CAP0603_X7R -27.1,60.2 r0 top value=100nF
C79 "10N/0603/50V/X7R" CAP0603_X7R -28,55.3 r180 top value=10nF
C80 "10N/0603/50V/X7R" CAP0603_X7R -25.5,64.7 r90 top value=10nF
C81 "100P/0603/50V/C0G" CAP0603_C0G -29,73 r0 top value=100pF
C82 "220N/0603/25V/X7R" CAP0603_X7R -25.7,45.5 r0 top value=220nF
C83 "10N/0603/50V/X7R" CAP0603_X7R -31.4,55.3 r0 top value=10nF
C84 "100N/0603/50V/X7R" CAP0603_X7R 13.9,83.4 r180 top value=100nF
C85 "100P/0603/50V/C0G" CAP0603_C0G 6.9,-59.2 r0 top value=100pF
C86 "100P/0603/50V/C0G" CAP0603_C0G 9.7,-59.2 r0 top value=100pF
C87 "100P/0603/50V/C0G" CAP0603_C0G 1.3,-59.2 r0 top value=100pF
C88 "100P/0603/50V/C0G" CAP0603_C0G -1.5,-59.2 r0 top value=100pF
C89 "100P/0603/50V/C0G" CAP0603_C0G 4.1,-59.2 r0 top value=100pF
C90 "15P/0603/50V/C0G" CAP0603_C0G -25.5,-30.4 r0 top value=15pF
C91 "15P/0603/50V/C0G" CAP0603_C0G -22.7,-30.4 r180 top value=15pF
C92 "22U/0805/25V/X5R" CAP0805_X7R -27.7,-29.4 r270 top value=22uF
C93 "22U/0805/25V/X5R" CAP0805_X7R -29.3,-29.4 r270 top value=22uF
C94 "22U/0805/25V/X5R" CAP0805_X7R -32.3,-29.4 r270 top value=22uF
C95 "22U/0805/25V/X5R" CAP0805_X7R -33.9,-29.4 r270 top value=22uF
C96 "22U/0805/25V/X5R" CAP0805_X7R -33,-26.9 r180 top value=22uF
C97 "100N/0603/50V/X7R" CAP0603_X7R -16.8,-28 r180 top value=100nF
C98 "100N/0603/50V/X7R" CAP0603_X7R -12,-12.7 r270 top value=100nF
C99 "100N/0603/50V/X7R" CAP0603_X7R -22.2,-8 r0 top value=100nF
C100 "100N/0603/50V/X7R" CAP0603_X7R -27.7,-8 r0 top value=100nF
C101 "100N/0603/50V/X7R" CAP0603_X7R -32,-23.8 r90 top value=100nF
C102 "100N/0603/50V/X7R" CAP0603_X7R -12,-19 r270 top value=100nF
C103 "10N/0603/50V/X7R" CAP0603_X7R -7.8,-26 r270 top value=10nF
C104 "100N/0603/50V/X7R" CAP0603_X7R -4.7,-31 r270 top value=100nF
C105 "100N/0603/50V/X7R" CAP0603_X7R -9.9,-22.5 r180 top value=100nF
C106 "100N/0603/50V/X7R" CAP0603_X7R -13.3,-26.4 r90 top value=100nF
C107 "100N/0603/50V/X7R" CAP0603_X7R -23,-38.3 r0 top value=100nF
C108 "100N/0603/50V/X7R" CAP0603_X7R -15.3,-45.3 r180 top value=100nF
C109 "100N/0603/50V/X7R" CAP0603_X7R 10,-5.9 r0 top value=100nF
C110 "10N/0603/50V/X7R" CAP0603_X7R 2.1,-8.3 r270 top value=10nF
C111 "100N/0603/50V/X7R" CAP0603_X7R 17,-3.8 r0 top value=100nF
C112 "100N/0603/50V/X7R" CAP0603_X7R 5.7,0.3 r90 top value=100nF
C113 "1U/1206/100V/X7R" CAP1206-X7R 3.3,5.7 r90 top value=1UF
C114 "1U/1206/100V/X7R" CAP1206-X7R 5.5,5.7 r90 top value=1UF
C115 "1U/1206/100V/X7R" CAP1206-X7R 7.7,5.7 r90 top value=1UF
C116 "2N2/0603/50V/X7R" CAP0603_X7R 17.7,5.9 r270 top value=2.2nF
C117 "10U/0805/50V/X5R" CAP0805_X7R 8.3,9.9 r270 top value=10uF
C118 "10U/0805/50V/X5R" CAP0805_X7R 6.7,9.9 r270 top value=10uF
C119 "1N/0603/50V/X7R" CAP0603_X7R 17.7,-0.3 r270 top value=1.0nF
C120 "47P/0603/50V/C0G" CAP0603_C0G 15.6,0.4 r180 top value=47pF
C121 "10U/0805/50V/X5R" CAP0805_X7R 2.5,-11 r0 top value=10uF
C122 "10U/0805/50V/X5R" CAP0805_X7R 2.5,-12.6 r0 top value=10uF
C123 "1U/0603/50V/X5R" CAP0603_X7R 2.7,-14.1 r0 top value=1.0uF
C124 "1U/0603/50V/X5R" CAP0603_X7R 10.6,-17.9 r270 top value=1.0uF
C125 "1U/0603/50V/X5R" CAP0603_X7R 8.1,-11.6 r90 top value=1.0uF
C126 "10U/0805/50V/X5R" CAP0805_X7R 6.6,-11.3 r90 top value=10uF
C127 "10U/0805/50V/X5R" CAP0805_X7R 5,-11.3 r90 top value=10uF
C128 "10P/0603/50V/C0G" CAP0603_C0G 11.8,-9.5 r0 top value=10pF
C129 "10N/0603/50V/X7R" CAP0603_X7R 6.2,-8.9 r180 top value=10nF
C130 "6N8/0603/50V/X7R" CAP0603_X7R 14.1,-15.1 r270 top value=6.8nF
C131 "330N/0603/25V/X7R" CAP0603_X7R 15.5,-15.1 r270 top value=330nF
C132 "100N/0603/50V/X7R" CAP0603_X7R 14.1,-17.2 r0 top value=100nF
C133 "100N/0603/50V/X7R" CAP0603_X7R 4,-32.5 r0 top value=100nF
C134 "10U/0805/50V/X5R" CAP0805_X7R 3,-27.3 r0 top value=10uF
C135 "10U/0805/50V/X5R" CAP0805_X7R 8,-32.6 r180 top value=10uF
C136 "10U/0805/50V/X5R" CAP0805_X7R 8,-31 r180 top value=10uF